# Altium PCB 452006252#进气模块电路板.PcbDoc
Units mm, origin at the board's own origin, x right, y up, seen from the top; angles counter-clockwise.
Board outline 52 x 55 mm, 4 copper layers (Top Layer, Internal Plane 3, Internal Plane 2, Bottom Layer), stack 0.778 mm thick; 59 components, 27 nets, 192 pads, 159 vias.
Unrouted connection lines stored in the file: 16.
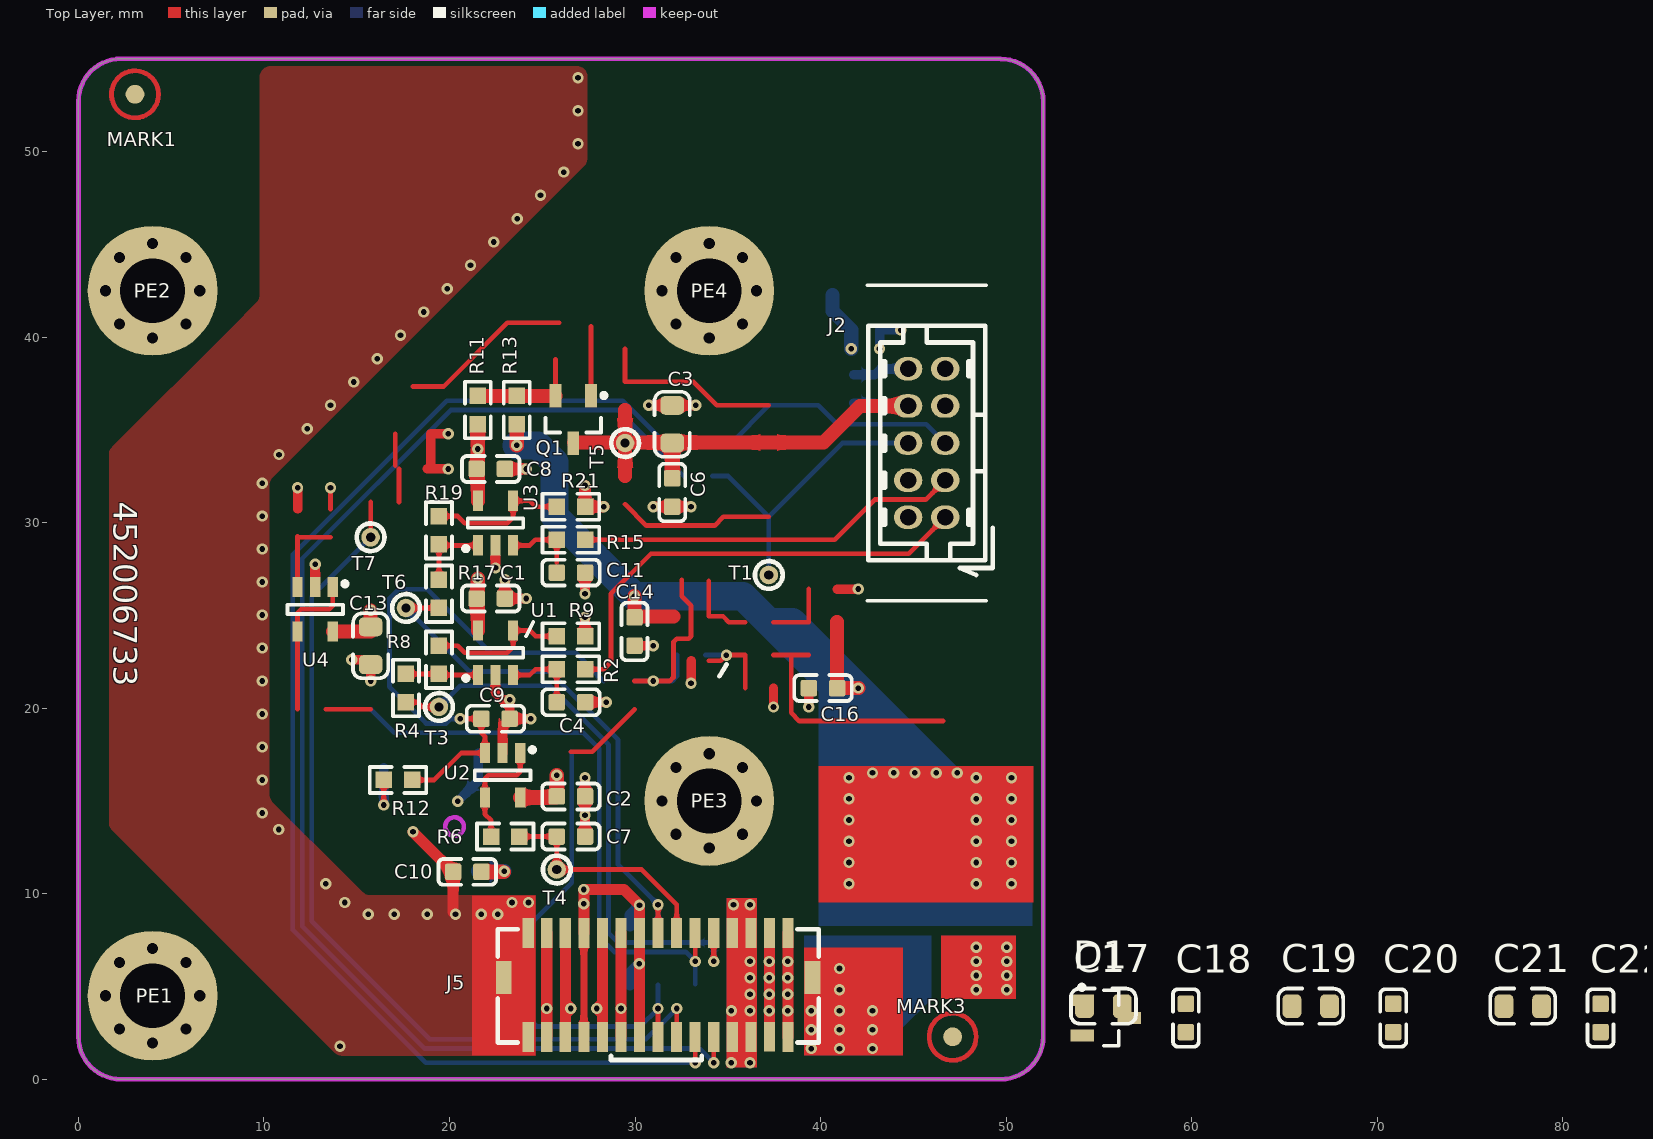
[diagram p0: Top Layer view]
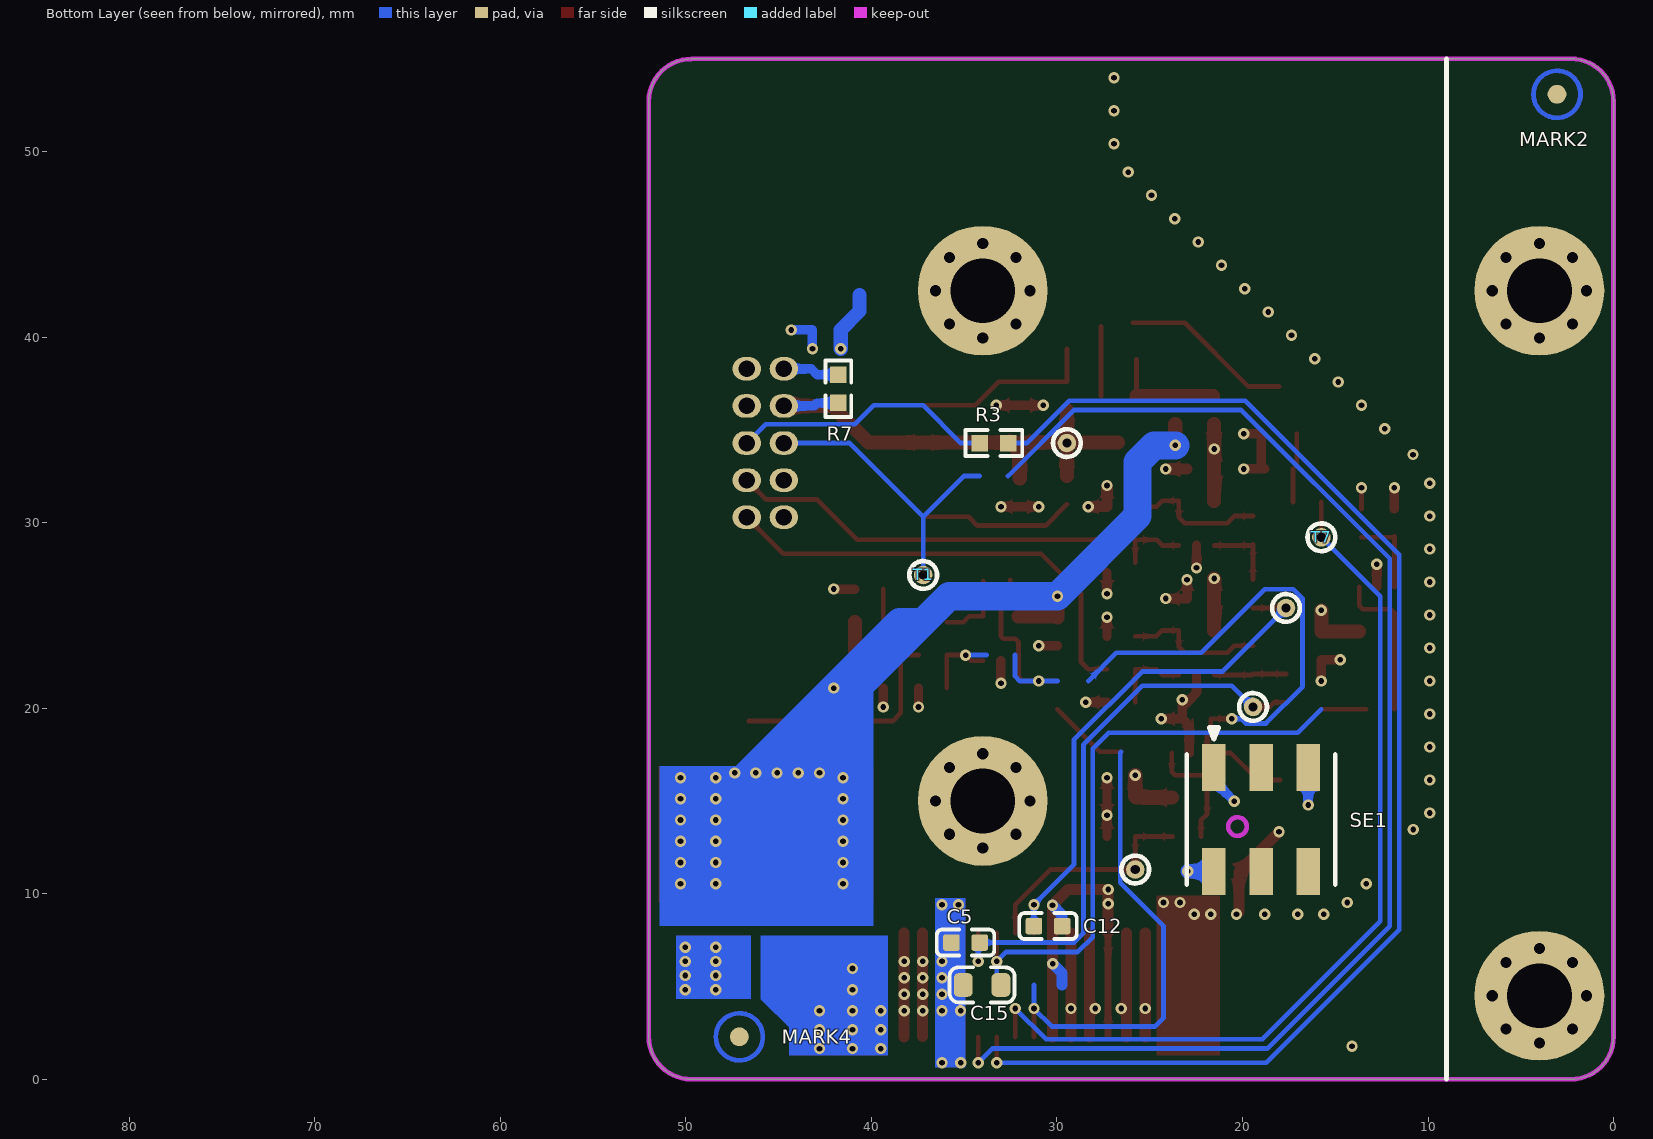
[diagram p1: Bottom Layer view, seen from below]
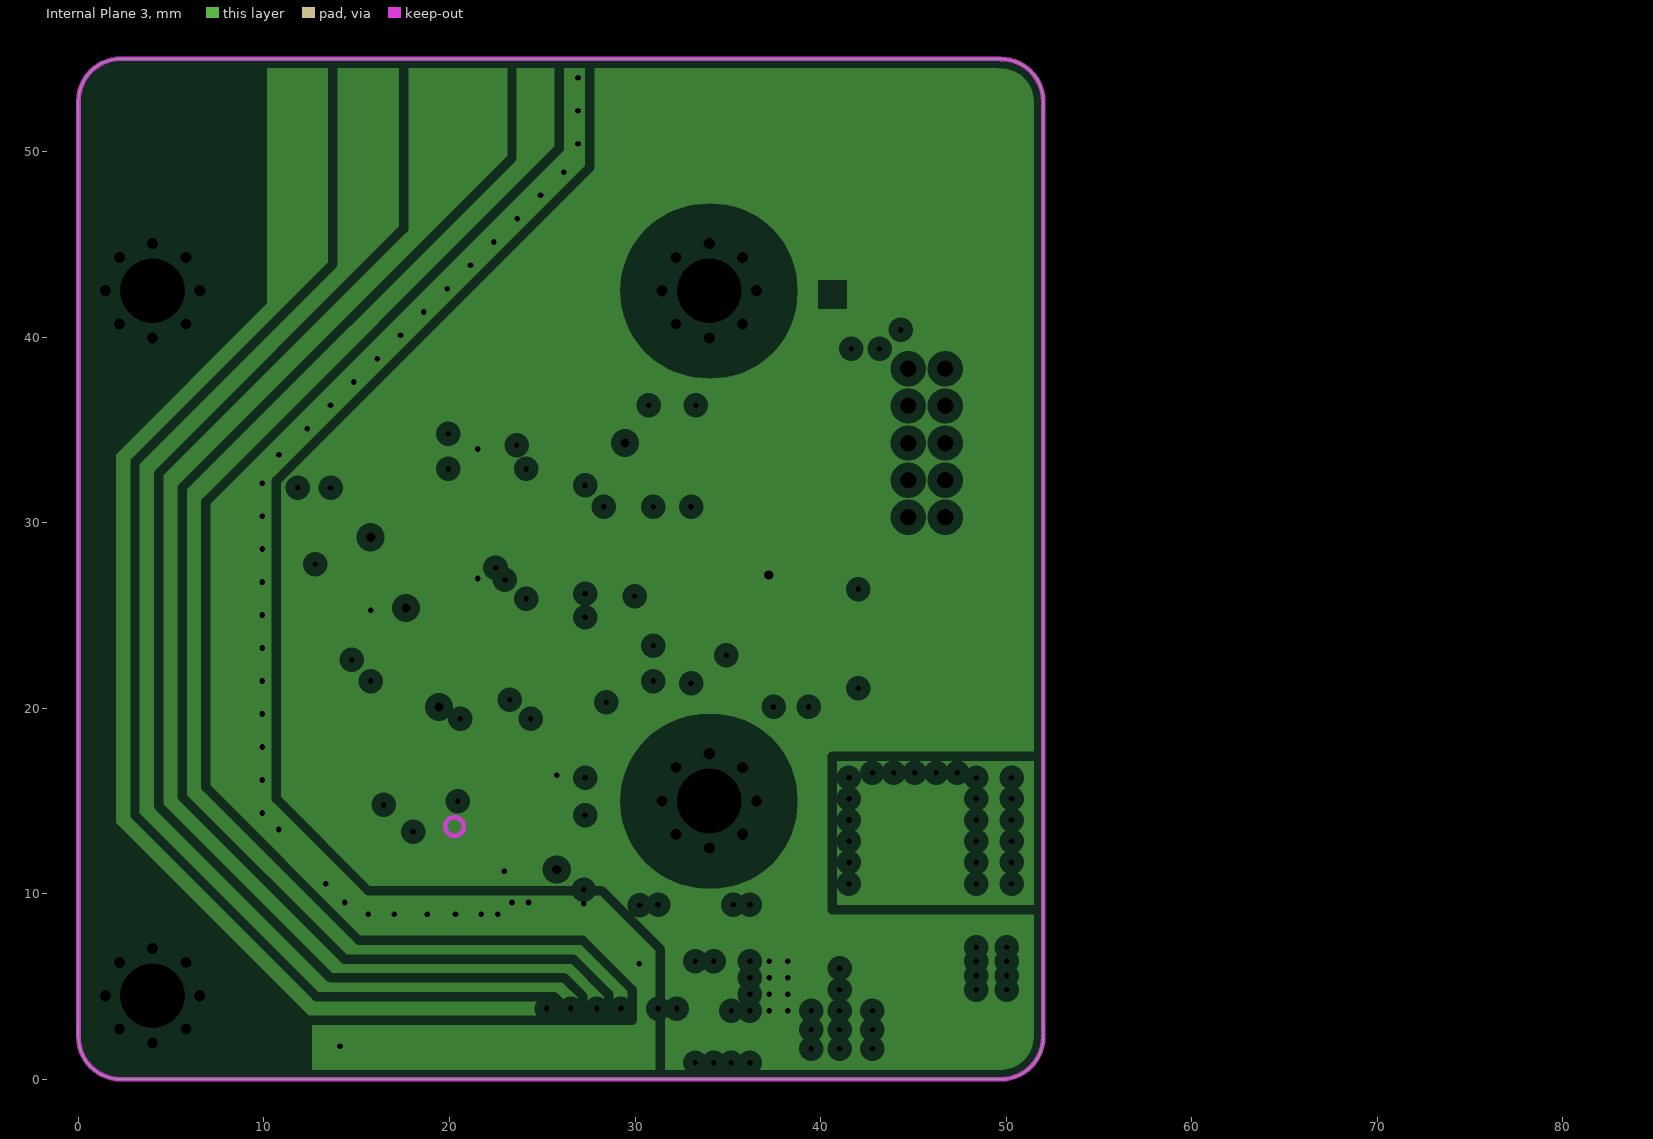
[diagram p2: Internal Plane 3, clearances drawn from the general rule]
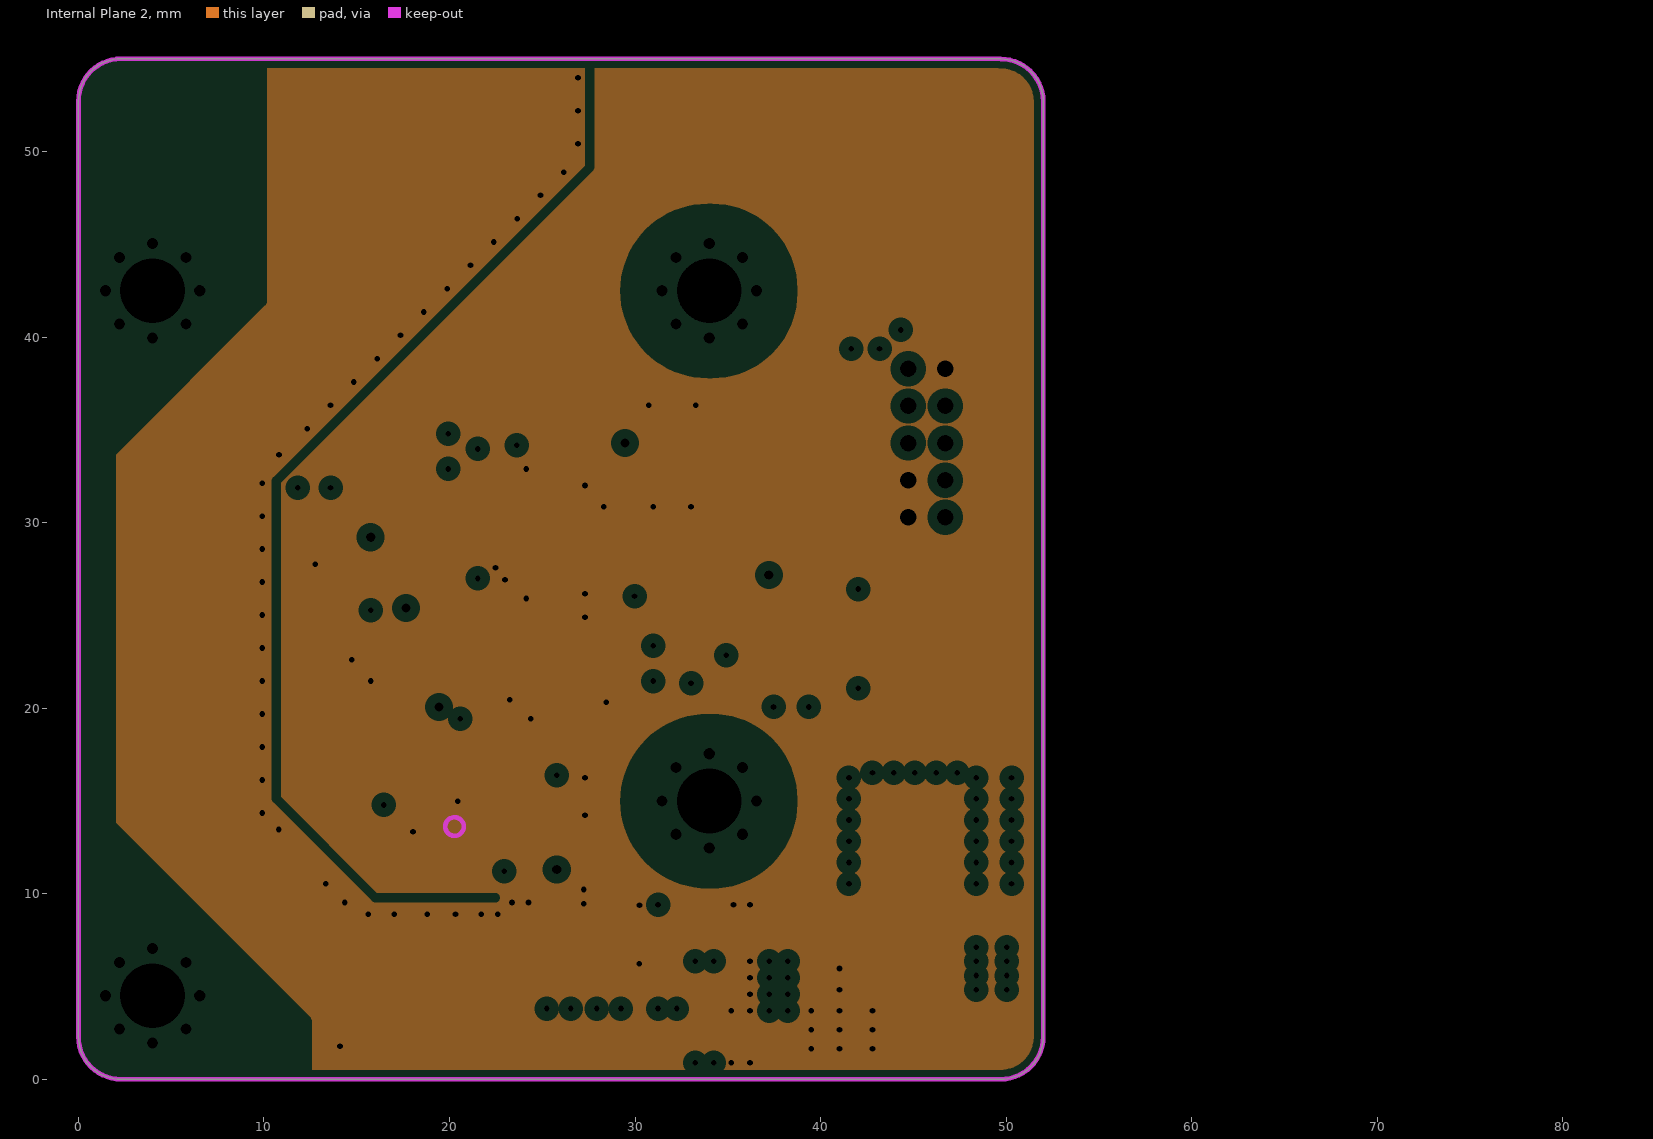
[diagram p3: Internal Plane 2, clearances drawn from the general rule]

## Layer stack, top to bottom
Top Solder: solder mask 0.0102, Solder Resist, Dk 3.5
Top Layer: signal copper 0.0356
Dielectric1: core 0.254, FR-4, Dk 4.2
Internal Plane 3: plane copper 0.036, net (Multiple Nets)
Dielectric 4: prepreg 0.127, Dk 4.2
Internal Plane 2: plane copper 0.036, net GND
Dielectric 3: core 0.254, Dk 4.2
Bottom Layer: signal copper 0.0356
Bottom Solder: solder mask 0.0102, Solder Resist, Dk 3.5

## Board outline
0,2.286 0,52.714 cw(c2.286,52.714) 2.286,55 49.714,55 49.714,54.991 cw(c49.714,52.705) 52,52.705 52,2.286 cw(c49.714,2.286) 49.714,0 2.286,0 cw(c2.286,2.286)

## Design rules (kind name [scope] priority, off if disabled: settings)
Clearance [All] p1: gap=0.178 ignorepadtopadclearanceinfootprint=FALSE
ComponentClearance [All] p1: gap=0 collisioncheckmode=3 verticalgap=0 showdistances=FALSE
Height [All] p1: minheight=0 maxheight=1000 prefheight=12.7
HoleSize [All] p1: absolutevalues=TRUE maxlimit=5.08 minlimit=0.025 maxpercent=80.000 minpercent=20.000
HoleToHoleClearance [All] p1: gap=0 allowstackedmicrovias=TRUE
MinimumSolderMaskSliver [All] p1: minsoldermaskwidth=0
PlaneClearance [All] p1: clearance=0.508
PlaneConnect [All] p1: planeconnectstyle=Direct reliefexpansion=0.508 reliefentries=4 reliefconductorwidth=0.254 reliefairgap=0.254
PolygonConnect [All] p1: connectstyle=Direct reliefconductorwidth=0.254 reliefentries=4 polygonreliefangle="90 Angle" airgapwidth=0.254
RoutingVias [All] p1: holewidth=0.711 width=1.27 viastyle="Through Hole" minholewidth=0.305 minwidth=0.61 maxholewidth=0.711 maxwidth=1.27
SilkToSilkClearance [All] p1: silktosilkclearance=0
SilkToSolderMaskClearance [IsPad] p1: minsilkscreentomaskgap=0 clearancetoexposedcopper=TRUE
SolderMaskExpansion [All] p1: expansion=0.102 istentingtop=FALSE
Width [All] p1: maxlimit=7.62 minlimit=0.254 preferedwidth=0.254
21 further rules are at their usual default settings.

## Classes and differential pairs
component class 氧气源压力传感器: C2 C7 C9 C10 R6 R12 SE1 T4 U2
component class IO: C3 C6 J2 J5 MARK1 MARK2 MARK3 MARK4 PE1 PE2 PE3 PE4 R7 R11 R13 T5
component class Power&Vref: C13 C14 C15 C16 C17 C18 C19 C20 C21 C22 D1 FB1 Q1 R3 T1 T7 U4
component class 3100: C1 C4 C5 C8 C11 C12 C36 C37 R2 R4 R8 R9 R15 R17 R19 R21 R64 T3 T6 U1 U3 U9

## Components (designator, comment, footprint, x,y, rotation, side; value= is the part's Value field where it differs from the comment)
C1 "100nF" C-0603 22.225,25.908 r180 top
C2 "100nF" C-0603 26.543,15.24 r180 top
C3 "10uF/16V" C-0805 32.004,35.306 r270 top
C4 "10nF" C-0603 26.543,20.32 r0 top
C5 "NC" C-0603 34.925,7.366 r0 bottom
C6 "100nF" C-0603 32.004,31.623 r90 top
C7 "100nF" C-0603 26.543,13.081 r0 top
C8 "100nF" C-0603 22.225,32.893 r180 top
C9 "10nF" C-0603 22.479,19.431 r0 top
C10 "100nF" C-0603 20.955,11.176 r180 top
C11 "10nF" C-0603 26.543,27.305 r0 top
C12 "100nF" C-0603 30.48,8.255 r180 bottom
C13 "10uF/16V" C-0805 15.748,23.368 r90 top
C14 "100nF" C-0603 29.972,24.13 r90 top
C15 "10uF/16V" C-0805 34.036,5.08 r0 bottom
C16 "100nF" C-0603 40.132,21.082 r180 top
C17 "10uF/16V" C-0805 55.245,3.937 r0 top
C18 "100nF" C-0603 59.69,3.302 r90 top
C19 "10uF/16V" C-0805 66.421,3.937 r0 top
C20 "100nF" C-0603 70.866,3.302 r90 top
C21 "10uF/16V" C-0805 77.851,3.937 r0 top
C22 "100nF" C-0603 82.042,3.302 r90 top
D1 "PESD5V2S2UT" sot23-3 55.372,3.302 r0 top
J2 "Header 5X2" 878311041 45.72,34.29 r90 top
J5 "501190-3017" 501190-3017 31.242,5.08 r0 top
MARK1 "MARK_POINT" MARK_POINT 3.048,53.086 r90 top
MARK2 "MARK_POINT" MARK_POINT 3.048,53.086 r90 bottom
MARK3 "MARK_POINT" MARK_POINT 47.117,2.286 r90 top
MARK4 "MARK_POINT" MARK_POINT 47.117,2.286 r90 bottom
PE1 "" 固定孔-M3 4,4.5 r0 top locked
PE2 "" 固定孔-M3 4,42.5 r0 top locked
PE3 "" 固定孔-M3 34,15 r0 top locked
PE4 "" 固定孔-M3 34,42.5 r0 top locked
Q1 "BC807-40" SOT23-3 26.67,35.56 r270 top
R2 "100R" R-0603 26.543,22.098 r180 top
R3 "330R" R-0603 33.401,34.29 r180 bottom
R4 "10R" R-0603 17.653,21.082 r270 top
R6 "10R" R-0603 23,13.081 r0 top
R7 "0" R-0603 41.783,37.211 r90 bottom
R8 "10K" R-0603 19.431,22.606 r270 top
R9 "10K" R-0603 26.543,23.876 r180 top
R11 "0" R-0603 21.529,36.068 r270 top
R12 "100R" R-0603 17.222,16.129 r180 top
R13 "NC" R-0603 23.622,36.068 r270 top
R15 "100R" R-0603 26.543,29.075 r180 top
R17 "10R" R-0603 19.431,26.162 r270 top
R19 "0" R-0603 19.431,29.591 r270 top
R21 "NC" R-0603 26.543,30.861 r180 top
SE1 "ABPLLNT010BGAA5" ABPMLN 19,14 r180 bottom locked
T1 "POWER_TEST" TP-SIP-1-Small 37.211,27.178 r90 bottom
T3 "直插测试点" TP-SIP-1-Small 19.431,20.066 r90 top
T4 "直插测试点" TP-SIP-1-Small 25.781,11.303 r90 top
T5 "直插测试点" TP-SIP-1-Small 29.464,34.29 r180 top
T6 "直插测试点" TP-SIP-1-Small 17.653,25.4 r90 top
T7 "直插测试点" TP-SIP-1-Small 15.748,29.21 r90 bottom
U1 "TLV333IDBVR" SOT23-5 22.479,22.987 r90 top
U2 "TLV333IDBVR" SOT23-5 22.86,16.383 r270 top
U3 "TLV333IDBVR" SOT23-5 22.479,29.972 r90 top
U4 "REF3450" SOT23-5 12.761,25.33 r270 top

## Footprints (in the part's own frame and the unit in brackets; to place one, negate y for a bottom-side part, rotate by r counter-clockwise, add the part's x,y. Pads: shape width x height; smd on the part's side, far side on the other; paste and mask are expansions set on the pad)
501190-3017 [mm]
  rect 0.6x1.6 smd paste+0 mask+0.05: 1(-7,2.8) 2(-6,2.8) 3(-5,2.8) 4(-4,2.8) 5(-3,2.8) 6(-2,2.8) 7(-1,2.8) 8(0,2.8) 9(1,2.8) 10(2,2.8) 11(3,2.8) 12(4,2.8) 13(5,2.8) 14(6,2.8) 15(7,2.8) 16(-7.001,-2.8) 17(-6.001,-2.8) 18(-5.001,-2.8) 19(-4.001,-2.8) 20(-3.001,-2.8) 21(-2.001,-2.8) 22(-1.001,-2.8) 23(-0.001,-2.8) 24(0.999,-2.8) 25(1.999,-2.8) 26(2.999,-2.8) 27(3.999,-2.8) 28(4.999,-2.8) 29(6.009,-2.794) 30(6.999,-2.8)
  rect 0.85x1.8 smd paste+0 mask+0.05: 31(8.32,0.4) 32(-8.32,0.4)
  silkscreen extent -8.64,-4.04 8.66,3, body extent -8.65,-4.08 8.65,3.19, height 5.57
878311041 [mil]
  oval 50x60 hole 35: 1(-157.48,-39.37) 2(-157.48,39.37) 3(-78.74,-39.37) 4(-78.74,39.37) 5(0,-39.37) 6(0,39.37) 7(78.74,-39.37) 8(78.74,39.37) 9(157.48,-39.37) 10(157.48,39.37)
  silkscreen extent -335,-140 335,126, body extent -249,-124 249,124, height 252
ABPMLN [mil]
  rect 50x100 smd: 1(-100,110) 2(0,110) 3(100,110) 4(100,-110) 5(0,-110) 6(-100,-110)
  Keep-Out Layer circle w10: c-50,-15 r19.68
  silkscreen extent -157,-138 157,195, body extent -157,-138 157,138, height 305
C-0603 [mil] "Chip Capacitor, 2-Leads, Body 1.60x0.80mm, IPC Medium Density"
  rrect25% 35x35 smd: 1(-30,0) 2(30,0)
  silkscreen extent -61,-28 61,28, body extent -33,-18 33,18, height 20
C-0805 [mil] "Chip Capacitor, 2-Leads, Body 2.00x1.25mm, IPC Medium Density"
  rrect50% 40x50 smd: 1(-40,0) 2(40,0)
  silkscreen extent -69,-37 69,37, body extent -41,-27 41,27, height 20
MARK_POINT [mil]
  round 40 smd: 0(0,0)
  Top Layer circle w10: c0,0 r50
R-0603 [mil] "Chip Resistor, 2-Leads, Body 1.60x0.80mm, IPC Medium Density"
  rect 35x35 smd: 1(-30,0) 2(30,0)
  silkscreen extent -60,-28 60,28
sot23-3 [mil] "SOT23, 3-Leads, Body 2.92x2.78mm, Pitch 0.95mm, IPC Medium Density"
  rect 50x25 smd: 1(-50,37.5) 2(-50,-37.5) 3(50,0)
  silkscreen extent -56,-59 28,70
SOT23-3 [mil] "SOT23, 3-Leads, Body 2.92x2.78mm, Pitch 0.95mm, IPC Medium Density"
  rect 50x25 smd: 1(-50,37.5) 2(-50,-37.5) 3(50,0)
  silkscreen extent -56,-59 28,70
SOT23-5 [mm] "SOT23, 5-Leads, Body 2.90x2.80mm, Pitch 0.95mm, IPC Medium Density"
  rect 1.1x0.55 smd: 1(-1.2,0.95) 2(-1.2,0) 3(-1.2,-0.95) 4(1.2,-0.95) 5(1.2,0.95)
  silkscreen extent -1.5,-1.5 0.25,1.72, body extent -0.9,-1.5 0.9,1.5, height 1
TP-SIP-1-Small [mm]
  round 1 hole 0.5: 1(0,0)
  silkscreen extent -0.75,-0.75 0.75,0.75
固定孔-M3 [mm]
  round 1 hole 0.6: 1(-2.54,0) 1(-1.796,-1.796) 1(-1.796,1.796) 1(0,-2.54) 1(0,2.54) 1(1.796,-1.796) 1(1.796,1.796) 1(2.54,0)
  round 7 hole 3.5: 1(0,0)

## Part data
C1 C2 C8: library part C-0603
C3: library part 10uF_1210, 制造商=三星, 名称=贴片瓷介电容10uF±10%,1210, 版本=V1.00, 物料编号=210003341, 详细描述="X7R,50V, 三星CL32B106KBJNNNC"
C4 C5 C7 C9 C10 C11 C12: library part 100nF-0603, "三星,CL10B104JB8NNNC,0603,X7R,", 制造商=三星, 名称=贴片瓷介电容100nF±5%/50V, 版本=V1.00, 详细描述=三星,CL10B104JB8NNNC,0603,X7R,
C6: library part 100nF_0805, 制造商=三星, 名称=贴片瓷介电容100nF±5%,0805, 版本=V1.00, 物料编号=210001894, 详细描述=X7R,50V,三星CL21B104JBCNNNC
C13 C15 C18 C20 C22: library part 100nF_1, "贴片瓷介电容100nF±5%,0805", 制造商=三星, 名称=贴片瓷介电容100nF±5%,0805, 版本=V1.00, 物料编号=210001894, 详细描述=X7R,50V,三星CL21B104JBCNNNC
C14 C16: library part CAP, "Capacitor"
C17 C19 C21: library part C-1210
D1: library part PESDxS2UT
J2: "Header, 5-Pin, Dual row", LatestRevisionDate=17-Jul-2002, LatestRevisionNote="Re-released for DXP Platform.", Publisher="Altium Limited"
PE1 PE2 PE3 PE4: library part CON1, "Connector"
R2 R4 R6 R12 R15 R17: library part 100R-0603, "国巨RC0603FR-07100RL,0603,1/10W", 制造商=国巨, 名称=贴片电阻100R±1%, 版本=V1.00, 详细描述=国巨RC0603FR-07100RL,0603,1/10W,
R3: library part 100Ω_1, "国巨RC0805FR-07100R", 制造商=国巨, 名称=贴片电阻100±1%, 版本=V1.00, 物料编号=210000765, 详细描述=0805,1/8W,国巨RC0805FR-07100R
R7 R11 R13: library part 10K_1, "国巨RC0805FR-0710K", 制造商=国巨, 名称=贴片电阻10K±1%, 版本=V1.00, 物料编号=210001830, 详细描述=0805,1/8W,国巨RC0805FR-0710K
R8 R9 R19 R21: library part 1K_1, "国巨RC0805FR-071K", 制造商=国巨, 名称=贴片电阻1K±1%, 版本=V1.00, 物料编号=210001832, 详细描述=0805,1/8W,国巨RC0805FR-071K
SE1: library part ABPDLNV150PGAA3, "Honeywell,ABPDLNV150PGAA3,ABP-DIP LN,0-150psi,ROHS", 厂家=Honeywell, 物料名称=压力传感器ABPDLNV150PGAA3
T3 T4 T5 T6 T7: library part Testpiont, 名称=直插测试点, 版本=V1.00
U1 U2 U3: "品牌：TI，型号：TLV333IDBVR,SOIC-8,–25°~+85°C,单运放，ROHS"
U4: library part REF3225
Q1: 版本=V1.00

## Via types
v1: diameter 0.61, hole 0.305, Top Layer to Bottom Layer, tented both sides, 159 vias

## Nets (pads, with @x,y where several pads share a name; then routed paths per layer and width w, separated by ;. In a path a pad name is that pad's centre, name@x,y a point inside that pad or via, vN(x,y) a via of type N, cw(c..) or ccw(c..) an arc to the next point about the centre after c; other vN are vias at no path point)
+5V: C1.2 C2.2 C8.2 C10.1 C19.2 C20.2 C21.2 C22.2 J5.14 J5.15 J5.29 J5.30 R11.2 SE1.6 T1.1 U1.5 U2.5 U3.5 | length 27
  Top Layer w0.597: J5.29@37.242,2.294 J5.14 ; J5.30 J5.15
  Top Layer w0.762: 13.711,24.13 15.748,24.13 v1(15.748,25.273) ; U1.5 v1(21.529,26.99) ; U3.5 v1(21.529,33.97) R11.2 ; C10.1 v1@22.927,11.176 ; U2.5 C2.2@25.724,15.183 ; C2.2 v1(25.781,16.383)
  Bottom Layer w0.762: SE1.6 v1(22.957,11.206)
  other v1: 37.242,3.683 38.227,3.683 37.242,4.572 38.227,4.572 37.242,5.461 38.227,5.461 37.242,6.35 38.227,6.35
+5Vref: D1.2 R13.2 T7.1 U4.5
+6.8V: J5.2 J5.17 Q1.2 R3.2 | length 5.6
  Top Layer w0.597: J5.17 J5.2
  other v1: 25.242,3.81
F_IN: C5.1 J5.11 R4.2 T3.1 | length 31.2
  Top Layer w0.254: R4.2 18.288,20.32 18.542,20.066 T3.1 ; v1(34.242,6.35) J5.11
  Bottom Layer w0.254: T3.1 20.574,21.209 25.4,21.209 28.575,18.034 28.575,7.874 29.083,7.366 C5.1 ; v1(34.242,6.35) C5.1@34.242,7.287
Flow_3100: J2.1 R2.1 | length 25
  Top Layer w0.254: R2.1 28.321,22.098 28.702,22.479 28.702,26.162 30.861,28.321 44.751,28.321 J2.1
GND: C1.1 C2.1 C3.1 C4.2 C5.2 C6.1 C7.2 C8.1 C9.2 C10.2 C11.2 C12.2 C13.2 C14.2 C15.1 C16.1 C17.1 C18.1 C19.1 C20.1 C21.1 C22.1 D1.3 J2.2 J2.4 J2.9 J5.1 J5.4 J5.7 J5.12 J5.13 J5.16 J5.19 J5.22 J5.27 J5.28 J5.31 J5.32 R9.1 R21.1 SE1.1 U1.2 U2.2 U3.2 U4.1 U4.2 | length 57
  Top Layer w0.381: J5.19 J5.4
  Top Layer w0.508: U4.2 v1(12.761,27.752) ; v1(14.732,22.606) 15.748,22.606 v1(15.748,21.463) ; U1.2 22.479,20.828 22.86,20.447 ; v1(22.479,27.559) U3.2 ; U2.2 22.86,19.05 C9.2 ; v1(22.987,26.924) C1.1 v1(24.13,25.908) ; v1(24.384,19.431) C9.2 ; C7.2 v1(27.305,14.224) C2.1 v1(27.305,16.256) ; C4.2 v1(28.448,20.32) ; R9.1 v1(27.305,24.892) ; v1(27.305,26.162) C11.2 ; v1(30.734,36.322) C3.1 v1(33.274,36.322) ; v1(30.988,30.861) C6.1 v1(33.02,30.861) ; 22.86,20.447 v1(23.241,20.447) 23.241,20.066 ; 22.86,20.447 23.241,20.066 ; C9.2 23.241,20.066
  Top Layer w0.597: v1(18.034,13.335) C10.2 v1@20.193,9.017 ; C8.1 v1(24.13,32.893) ; J5.4 v1(27.242,9.461) v1(27.242,10.223) 29.401,10.223 v1(30.241,9.383) J5.22 ; v1(27.305,32.004) R21.1 v1(28.321,30.861)
  Bottom Layer w0.508: v1(20.447,14.986) 21.54,16.079 SE1.1 SE1.1@21.54,17.576
  Bottom Layer w0.597: 29.718,5.08 29.718,5.715 v1(30.226,6.223) ; C12.2 29.718,8.859 v1(30.241,9.383)
  other v1: 35.179,0.889 36.195,0.889 39.497,1.651 41.021,1.651 42.799,1.651 14.097,1.778 39.497,2.667 41.021,2.667 42.799,2.667 35.195,3.683 36.195,3.683 39.497,3.683 41.021,3.683 42.799,3.683 36.195,4.572 41.021,4.826 36.195,5.461 41.021,5.969 36.195,6.35 15.621,8.89 17.018,8.89 18.796,8.89 20.32,8.89 21.717,8.89 22.606,8.89 35.306,9.398 36.195,9.398 14.351,9.525 23.368,9.525 24.257,9.525 13.335,10.541 10.795,13.462 9.906,14.351 9.906,16.129 9.906,17.907 9.906,19.685 9.906,21.463 9.906,23.241 9.906,25.019 9.906,26.797 9.906,28.575 9.906,30.353 9.906,32.131 10.808,33.668 12.332,35.065 13.59,36.323 14.847,37.58 16.104,38.837 17.361,40.094 18.619,41.352 19.876,42.609 21.133,43.866 22.39,45.123 23.648,46.381 24.905,47.638 26.162,48.895 26.924,50.419 26.924,52.197 26.924,53.975
NetC3_2: C3.2 C6.2 J2.8 R7.1 R11.1 R13.1 T5.1 | length 27.3
  Top Layer w0.762: 26.702,34.322 T5.1@29.464,34.322 ; 29.464,32.512 T5.1 T5.1@29.464,34.322 ; 29.464,36.068 T5.1@29.464,34.322 ; C6.2 C3.2 ; J2.8 42.132,36.29 40.164,34.322 37.211,34.322 T5.1@29.464,34.322
  Bottom Layer w0.508: R7.1 42.926,36.449 43.085,36.29 J2.8
NetC4_1: C4.1 R2.2 U1.3 | length 4.3
  Top Layer w0.254: U1.3 24.327,21.787 24.638,22.098 R2.2 C4.1
NetC9_1: C9.1 R12.1 U2.3 | length 30.9
  Top Layer w0.254: R12.1 19.177,16.129 20.631,17.583 U2.3 21.91,18.476 21.717,18.669 C9.1 v1(20.574,19.431)
  Bottom Layer w0.254: v1(20.574,19.431) 20.066,19.431 19.812,19.177 18.734,19.177 16.764,21.147 16.764,25.908 17.272,26.416 18.796,26.416 22.225,22.987 26.797,22.987 28.321,21.463
NetC11_1: C11.1 R15.2 U3.3 | length 3.7
  Top Layer w0.254: U3.3 24.327,28.772 24.63,29.075 R15.2 25.781,27.843
NetC13_1: C13.1 C14.1 D1.1 Q1.3 | length 1
  Top Layer w0.508: C14.1 v1(30.988,23.368)
NetC15_2: C15.2 C16.2 Q1.1 R3.1 U4.3 U4.4 | length 9.3
  Top Layer w0.254: U4.3 11.811,29.272 ; 11.811,29.21 13.589,29.21 ; Q1.1 27.622,40.577
  Top Layer w0.508: v1(39.37,20.066) C16.2
NetC17_2: C17.2 C18.2
NetJ2_10: J2.10 R7.2 | length 3.1
  Bottom Layer w0.508: R7.2 42.926,37.973 43.243,38.29 J2.10
NetR4_1: R4.1 R8.2 U1.1 | length 3.8
  Top Layer w0.254: R4.1 R8.2 ; R8.2@19.488,21.787 U1.1
NetR6_1: R6.1 U2.1 U2.4 | length 6.3
  Top Layer w0.254: R6.1 22.238,13.957 21.91,14.285 U2.4 21.91,16.195 22.098,16.383 23.626,16.383 23.81,16.567 U2.1
NetR8_1: R8.1 R9.2 U1.4 | length 7.7
  Top Layer w0.254: R8.1 20.447,23.368 20.828,22.987 23.118,22.987 23.429,23.298 U1.4 24.327,24.187 24.638,23.876 R9.2
NetR12_2: R12.2 SE1.3 | length 3.4
  Top Layer w0.254: v1(16.46,14.782) R12.2
  Bottom Layer w0.508: v1(16.46,14.782) SE1.3
NetR17_1: R17.1 R19.2 U3.1 | length 3.9
  Top Layer w0.254: R17.1 R19.2 ; R19.2@19.488,28.772 U3.1
NetR19_1: R19.1 R21.2 U3.4 | length 7.7
  Top Layer w0.254: R19.1 20.447,30.353 20.828,29.972 23.118,29.972 23.429,30.283 U3.4 24.327,31.172 24.638,30.861 R21.2
O2SupPres: C7.1 J5.9 R6.2 T4.1 | length 12.6
  Top Layer w0.254: R6.2 C7.1 T4.1 30.353,11.303 32.242,9.414 J5.9
PE1: PE1.1
PE2: PE2.1
PE3: PE3.1
PE4: PE4.1
T_IN: C12.1 J5.8 R17.2 T6.1 | length 28.6
  Top Layer w0.254: T6.1 R17.2 ; J5.8 v1(31.242,9.398)
  Bottom Layer w0.254: T6.1 21.082,21.971 25.4,21.971 29.083,18.288 29.083,11.557 v1(31.242,9.398) C12.1
Temperature_3100: J2.3 R15.1 | length 20.7
  Top Layer w0.254: R15.1 40.759,29.075 42.926,31.242 45.672,31.242 J2.3
pads on no net: J2.5 J2.6 J2.7 J5.3 J5.5 J5.6 J5.10 J5.18 J5.20 J5.21 J5.23 J5.24 J5.25 J5.26 MARK1.0 MARK2.0 MARK3.0 MARK4.0 SE1.2 SE1.4 SE1.5
copper on no net: | length 477.1
  Top Layer w0.254: 11.811,19.939 11.811,24.13 11.811,25.146 11.995,25.33 13.519,25.33 13.711,25.522 13.711,26.53 ; 13.335,19.939 15.748,19.939 ; 13.589,30.734 v1(13.589,31.877) ; 15.748,29.21 15.748,31.115 ; 17.081,33.084 17.081,34.798 ; 17.272,31.115 17.272,32.893 ; 18.034,37.338 19.685,37.338 23.114,40.767 25.908,40.767 ; 25.717,36.83 25.717,38.798 ; 26.543,17.653 27.686,17.653 29.972,19.939 ; 29.464,30.988 30.607,29.845 34.29,29.845 34.767,30.322 37.211,30.322 ; 29.464,39.37 29.464,37.592 33.147,37.592 34.417,36.322 37.211,36.322 ; 29.972,21.463 v1(30.988,21.463) 31.877,21.463 32.07,21.656 32.07,22.549 32.07,23.561 32.258,23.749 32.897,23.749 33.02,23.872 33.02,25.527 32.512,26.035 32.512,26.924 ; 31.241,2.28 v1(31.241,3.81) ; 32.241,2.28 v1(32.241,3.81) ; v1(33.241,0.889) 33.241,2.28 ; v1(33.242,6.35) 33.242,7.88 ; 33.97,22.549 34.614,22.549 v1(34.925,22.86) 35.941,22.86 35.941,21.082 ; 33.97,26.858 33.97,24.949 34.741,24.949 35.052,24.638 35.941,24.638 ; v1(34.241,0.889) 34.241,2.28 ; 37.465,22.86 38.417,22.86 ; 37.465,24.638 39.37,24.638 39.37,26.42 ; 39.37,22.86 38.417,22.86 ; 46.609,19.304 38.862,19.304 38.417,19.748 38.417,22.86
  Top Layer w0.508: 11.811,30.734 v1(11.811,31.877) ; 18.796,32.893 v1(19.939,32.893) ; 18.986,33.084 18.986,34.798 v1(19.939,34.798) ; v1(33.02,21.336) 33.02,22.549 ; v1(37.465,20.066) 37.465,21.082 ; 40.894,26.42 v1(42.033,26.42)
  Top Layer w0.597: 26.241,2.28 26.241,3.508 ; 26.241,5.08 26.241,4.112 ; 26.241,7.88 26.241,4.112 ; 28.242,2.28 28.242,7.88 ; 29.241,2.28 29.241,7.88 ; 26.241,3.508 v1(26.543,3.81) 26.241,4.112 ; 26.241,3.508 26.241,4.112 ; v1(27.94,3.81) 28.241,3.508 28.241,4.112 v1(27.94,3.81)
  Top Layer w0.762: 21.59,36.83 24.003,36.83 25.717,36.83 ; v1(23.622,34.163) 23.622,35.306 ; 29.972,24.892 v1(29.972,26.035) ; 30.029,24.949 32.07,24.949 ; 40.894,24.638 40.894,22.86 40.894,21.082 v1(42.037,21.082)
  Bottom Layer w0.254: 15.748,19.939 17.018,18.669 27.222,18.669 28.067,17.824 28.067,7.664 28.873,6.858 32.734,6.858 v1(33.242,6.35) 33.242,5.112 ; 15.748,29.21 12.573,26.035 12.573,8.509 18.923,2.159 30.59,2.159 v1(32.241,3.81) ; 26.543,17.653 26.586,17.61 26.586,10.584 24.257,8.255 24.257,3.302 24.714,2.845 30.276,2.845 v1(31.241,3.81) 31.242,5.08 ; 29.972,21.463 v1(30.988,21.463) 32.004,21.463 32.258,21.717 32.258,22.86 ; 32.639,32.512 29.083,36.068 20.066,36.068 12.065,28.067 12.065,8.255 18.669,1.651 33.479,1.651 v1(34.241,0.889) ; 32.639,34.29 31.623,34.29 29.337,36.576 19.856,36.576 11.557,28.277 11.557,8.045 18.713,0.889 v1(33.241,0.889) ; 33.782,22.86 v1(34.925,22.86) ; 34.163,32.512 35.021,32.512 37.211,30.322 ; 34.163,34.29 35.179,34.29 37.211,36.322 39.878,36.322 40.894,35.306 45.704,35.306 46.72,34.29 ; 37.211,27.178 37.211,30.322 ; 44.72,34.29 41.179,34.29 37.211,30.322
  Bottom Layer w0.508: v1(43.18,39.37) 43.18,40.386 v1(44.323,40.386)
  Bottom Layer w0.762: 40.642,42.254 40.642,41.4 41.656,40.386 v1(41.656,39.37)
  Bottom Layer w1.524: v1(23.622,34.163) 24.765,34.163 25.654,33.274 25.654,30.353 v1(29.972,26.035) 35.814,26.035 40.64,21.209 ; 37.338,24.638 38.481,24.638 v1(42.037,21.082) ; 40.64,15.494 40.64,21.209 ; 42.037,12.7 42.037,19.812 ; 43.18,16.002 43.18,19.939 ; 44.514,14.922 44.514,18.605 ; 47.244,15.875 44.514,18.605 ; 40.64,21.209 40.767,21.082 ; 40.767,21.082 42.037,19.812 ; 40.767,21.082 v1(42.037,21.082) ; 42.037,19.812 v1(42.037,21.082) ; v1(42.037,21.082) 43.18,19.939 ; 43.18,19.939 44.514,18.605
  other v1: 29.241,3.81 48.387,4.826 50.038,4.826 48.387,5.588 50.038,5.588 48.387,6.35 50.038,6.35 48.387,7.112 50.038,7.112 41.529,10.541 48.387,10.541 50.292,10.541 41.529,11.684 48.387,11.684 50.292,11.684 41.529,12.827 48.387,12.827 50.292,12.827 41.529,13.97 48.387,13.97 50.292,13.97 41.529,15.113 48.387,15.113 50.292,15.113 41.529,16.256 48.387,16.256 50.292,16.256 42.799,16.51 43.942,16.51 45.085,16.51 46.228,16.51 47.371,16.51

## Polygon pours and split planes (outlines as drawn)
GND on Top Layer "Top Layer-No Net" (solid, remove dead copper, pour order 2): 27.432,53.467 27.432,49.645 cw(c26.848,49.645) 27.261,49.232 22.987,44.958 10.458,32.429 ccw(c10.871,32.016) 10.287,32.016 10.287,22.352 10.287,15.355 ccw(c10.871,15.355) 10.458,14.942 14.605,10.795 15.323,10.077 ccw(c15.736,10.49) 15.736,9.906 24.638,9.906 24.638,1.27 14.212,1.27 cw(c14.212,1.854) 13.799,1.441 6.477,8.763 1.822,13.418 cw(c2.235,13.831) 1.651,13.831 1.651,17.018 1.651,33.667 cw(c2.235,33.667) 1.822,34.08 8.255,40.513 9.608,41.866 ccw(c9.195,42.279) 9.779,42.279 9.779,46.355 9.779,54.026 cw(c10.363,54.026) 10.363,54.61 11.938,54.61 26.848,54.61 cw(c26.848,54.026) 27.432,54.026 27.432,53.467
no net on Internal Plane 3 (split plane): 23.112,49.763 5.407,32.058 5.366,32.005 5.341,31.943 5.332,31.877 5.332,15.223 5.341,15.157 5.366,15.095 5.407,15.042 14.153,6.296 14.206,6.255 14.242,6.24 14.268,6.23 14.334,6.221 26.564,6.221 28.319,4.466 28.319,3.431 27.434,3.431 27.434,4.478 27.425,4.544 27.413,4.575 27.4,4.606 27.359,4.659 26.376,5.642 26.323,5.683 26.261,5.708 26.195,5.717 13.695,5.717 4.574,14.838 4.574,32.533 17.707,45.666 17.748,45.719 17.773,45.781 17.782,45.847 17.782,54.49 23.112,54.49
no net on Internal Plane 3 (split plane): 13.46,44.048 2.867,33.455 2.826,33.402 2.801,33.34 2.792,33.274 2.792,14.224 2.801,14.158 2.826,14.096 2.867,14.043 12.646,4.264 12.699,4.223 12.761,4.198 12.827,4.189 25.548,4.189 25.652,4.085 25.652,3.431 12.425,3.431 2.034,13.822 2.034,33.676 10.087,41.729 10.128,41.782 10.146,41.826 10.153,41.844 10.162,41.91 10.162,54.49 13.46,54.49
no net on Internal Plane 3 (split plane): 17.27,45.953 4.137,32.82 4.096,32.767 4.071,32.705 4.062,32.639 4.062,14.732 4.071,14.666 4.096,14.604 4.137,14.551 13.408,5.28 13.461,5.239 13.479,5.232 13.523,5.214 13.589,5.205 26.089,5.205 26.922,4.372 26.922,3.431 26.164,3.431 26.164,4.191 26.155,4.257 26.148,4.275 26.13,4.319 26.089,4.372 25.835,4.626 25.782,4.667 25.72,4.692 25.654,4.701 12.933,4.701 3.304,14.33 3.304,33.168 13.897,43.761 13.938,43.814 13.963,43.876 13.972,43.942 13.972,54.49 17.27,54.49
GND on Internal Plane 3 (split plane): 27.303,49.255 10.487,32.439 10.446,32.386 10.421,32.324 10.412,32.258 10.412,15.113 10.421,15.047 10.446,14.985 10.487,14.932 15.44,9.979 15.493,9.938 15.555,9.913 15.621,9.904 28.108,9.904 31.113,6.899 31.113,0.51 12.573,0.51 12.573,2.919 25.781,2.919 25.845,2.927 25.908,2.919 29.845,2.919 29.911,2.928 29.973,2.953 30.026,2.994 30.067,3.047 30.092,3.109 30.101,3.175 30.101,4.826 30.092,4.892 30.067,4.954 30.026,5.007 27.359,7.674 27.306,7.715 27.244,7.74 27.178,7.749 15.219,7.749 7.114,15.854 7.114,31.009 26.089,49.984 26.13,50.037 26.137,50.055 26.155,50.099 26.164,50.165 26.164,54.49 27.303,54.49
+5V on Internal Plane 3 (split plane): 49.714,54.481 49.728,54.482 49.888,54.474 50.061,54.448 50.23,54.406 50.394,54.347 50.552,54.273 50.702,54.183 50.842,54.079 50.971,53.962 51.088,53.833 51.192,53.693 51.282,53.543 51.356,53.385 51.415,53.221 51.457,53.052 51.483,52.879 51.491,52.719 51.49,52.705 51.49,17.655 40.64,17.655 40.574,17.646 40.512,17.621 40.459,17.58 40.418,17.527 40.393,17.465 40.384,17.399 40.384,9.144 40.393,9.078 40.418,9.016 40.459,8.963 40.512,8.922 40.574,8.897 40.64,8.888 51.49,8.888 51.49,2.286 51.491,2.272 51.483,2.112 51.457,1.939 51.415,1.77 51.356,1.606 51.282,1.448 51.192,1.298 51.088,1.158 50.971,1.029 50.842,0.912 50.702,0.808 50.552,0.718 50.394,0.644 50.23,0.585 50.061,0.543 49.888,0.517 49.728,0.509 49.714,0.51 31.625,0.51 31.625,7.005 31.616,7.072 31.591,7.133 31.55,7.186 28.395,10.341 28.342,10.382 28.281,10.407 28.214,10.416 15.727,10.416 10.924,15.219 10.924,32.152 27.74,48.968 27.781,49.021 27.806,49.083 27.815,49.149 27.815,54.49 49.623,54.49
no net on Internal Plane 3 (split plane): 25.652,50.271 6.677,31.296 6.636,31.243 6.611,31.181 6.602,31.115 6.602,15.748 6.611,15.682 6.636,15.62 6.677,15.567 14.932,7.312 14.985,7.271 15.047,7.246 15.113,7.237 27.072,7.237 29.589,4.72 29.589,3.431 28.831,3.431 28.831,4.572 28.822,4.638 28.797,4.7 28.756,4.753 26.851,6.658 26.798,6.699 26.736,6.724 26.67,6.733 14.44,6.733 5.844,15.329 5.844,31.771 23.549,49.476 23.59,49.529 23.615,49.591 23.624,49.657 23.624,54.49 25.652,54.49
no net on Internal Plane 3 (split plane): 51.49,9.4 40.896,9.4 40.896,17.143 51.49,17.143
GND on Internal Plane 2 (split plane): 49.714,54.481 49.728,54.482 49.888,54.474 50.061,54.448 50.23,54.406 50.394,54.347 50.552,54.273 50.702,54.183 50.842,54.079 50.971,53.962 51.088,53.833 51.192,53.693 51.282,53.543 51.356,53.385 51.415,53.221 51.457,53.052 51.483,52.879 51.491,52.719 51.49,52.705 51.49,2.286 51.491,2.272 51.483,2.112 51.457,1.939 51.415,1.77 51.356,1.606 51.282,1.448 51.192,1.298 51.088,1.158 50.971,1.029 50.842,0.912 50.702,0.808 50.552,0.718 50.394,0.644 50.23,0.585 50.061,0.543 49.888,0.517 49.728,0.509 49.714,0.51 12.573,0.51 12.573,3.158 12.575,3.175 12.566,3.241 12.541,3.303 12.5,3.356 2.034,13.822 2.034,33.676 10.087,41.729 10.128,41.782 10.146,41.826 10.153,41.844 10.162,41.91 10.162,54.49 27.303,54.49 27.303,49.255 10.487,32.439 10.446,32.386 10.421,32.324 10.412,32.258 10.412,15.113 10.421,15.047 10.446,14.985 10.487,14.932 15.821,9.598 15.874,9.557 15.936,9.532 16.002,9.523 22.479,9.523 22.545,9.532 22.607,9.557 22.66,9.598 22.701,9.651 22.726,9.713 22.735,9.779 22.726,9.845 22.701,9.907 22.66,9.96 22.607,10.001 22.545,10.026 22.479,10.035 16.108,10.035 10.924,15.219 10.924,32.152 27.74,48.968 27.781,49.021 27.806,49.083 27.815,49.149 27.815,54.49 49.623,54.49

## Keep-outs
Keep-Out Layer:
  lines w0.254: 49.714,54.991 cw(c49.714,52.705) 52,52.705 52,2.286 cw(c49.714,2.286) 49.714,0 2.286,0 cw(c2.286,2.286) 0,2.286 0,52.714 cw(c2.286,52.714) 2.286,55 49.714,55

## Other copper
Top Layer:
  rectangle net GND: 39.116,1.27 44.45,7.112
  rectangle: 39.878,9.525 51.49,16.891
  rectangle: 46.482,4.318 50.546,7.747
  rectangle net GND: 21.209,1.27 24.638,9.906
  rectangle net GND: 34.925,0.635 36.576,9.779
Bottom Layer:
  rectangle net GND: 34.925,0.635 36.576,9.779
  rectangle: 39.878,8.255 51.435,16.891
  rectangle net GND: 39.116,1.27 44.45,7.747
  rectangle net GND: 43.561,4.318 45.974,7.747
  region net GND: 44.268,2.612 45.974,4.318 44.831,5.461 43.125,3.755
  rectangle: 46.482,4.318 50.546,7.747
Internal Plane 3 (plane layer: these items are gaps in the copper):
  rectangle: 1.27,39.37 6.731,44.831
  rectangle: 0.762,1.778 6.985,7.493
  region: 7.503,1.153 10.287,3.937 2.794,11.43 0.01,8.646
  region: 10.074,0.93 12.319,3.175 1.778,13.716 -0.467,11.471
  rectangle: 0.635,-0.127 12.573,3.175
  rectangle: 0.702,52.451 9.652,55.062
  rectangle: 1.016,36.83 4.064,41.656
  region: -0.064,35.624 1.778,33.782 9.906,41.91 8.064,43.751
  rectangle: -0.127,0.889 1.778,43.307
  rectangle: -0.127,41.91 9.906,53.975
  rectangle: 39.878,41.529 41.402,43.053
  pour cut-out: 34.163,37.787 33.909,37.787 cw(c33.909,42.486) 29.21,42.486 cw(c33.909,42.486) 33.909,47.185 34.163,47.185 cw(c34.163,42.613) 38.735,42.613 38.735,42.359 cw(c34.163,42.359)
  pour cut-out: 34.163,10.287 33.909,10.287 cw(c33.909,14.986) 29.21,14.986 cw(c33.909,14.986) 33.909,19.685 34.163,19.685 cw(c34.163,15.113) 38.735,15.113 38.735,14.859 cw(c34.163,14.859)
  lines w0.508: 9.906,55.127 9.906,41.91 1.778,33.782 1.778,13.716 12.319,3.175 25.781,3.175 ; 13.716,55.127 13.716,43.942 3.048,33.274 3.048,14.224 12.827,4.445 25.654,4.445 25.908,4.191 25.908,3.175 27.178,3.175 ; 17.526,55.127 17.526,45.847 4.318,32.639 4.318,14.732 13.589,5.461 26.195,5.461 27.178,4.478 27.178,3.175 ; 23.368,55.062 23.368,49.657 5.588,31.877 5.588,15.223 14.334,6.477 26.67,6.477 28.575,4.572 28.575,3.175 ; 25.908,55.062 25.908,50.165 6.858,31.115 6.858,15.748 15.113,7.493 27.178,7.493 29.845,4.826 29.845,3.175 28.575,3.175 ; 27.559,55.062 27.559,49.149 10.668,32.258 10.668,15.113 15.621,10.16 28.214,10.16 31.369,7.005 31.369,-0.254 ; 51.943,9.144 40.64,9.144 40.64,17.399 51.943,17.399 ; 27.178,3.175 28.575,3.175
Internal Plane 2 (plane layer: these items are gaps in the copper):
  rectangle: 1.27,39.37 6.731,44.831
  rectangle: 0.762,1.778 6.985,7.493
  region: 7.503,1.153 10.287,3.937 2.794,11.43 0.01,8.646
  region: 10.074,0.93 12.319,3.175 1.778,13.716 -0.467,11.471
  rectangle: 0.635,-0.127 12.573,3.175
  rectangle: 0.702,52.451 9.652,55.062
  rectangle: 1.016,36.83 4.064,41.656
  region: -0.064,35.624 1.778,33.782 9.906,41.91 8.064,43.751
  rectangle: -0.127,0.889 1.778,43.307
  rectangle: -0.127,41.91 9.906,53.975
  pour cut-out: 34.163,10.287 33.909,10.287 cw(c33.909,14.986) 29.21,14.986 cw(c33.909,14.986) 33.909,19.685 34.163,19.685 cw(c34.163,15.113) 38.735,15.113 38.735,14.859 cw(c34.163,14.859)
  pour cut-out: 34.163,37.787 33.909,37.787 cw(c33.909,42.486) 29.21,42.486 cw(c33.909,42.486) 33.909,47.185 34.163,47.185 cw(c34.163,42.613) 38.735,42.613 38.735,42.359 cw(c34.163,42.359)
  lines w0.508: 9.906,55.127 9.906,41.91 1.778,33.782 1.778,13.716 12.319,3.175 ; 22.479,9.779 16.002,9.779 10.668,15.113 10.668,32.258 27.559,49.149 27.559,55.062 25.908,55.062

## Silkscreen, mask and mechanical layers (free items; w line width, h text height)
Top Overlay:
  lines w0.203: 24.13,23.876 24.511,24.638
  lines w0.254: 34.544,21.717 34.925,22.352
  text "452006733" at 1.905,31.115 h1.27 r270
Bottom Overlay:
  lines w0.254: 9,0 9,55
Mechanical 1:
  drawing of 8208 lines, arcs and shapes, not listed
  text "7" at 216.81,169.775 h2.54
  text "1" at -50.017,169.648 h2.54
  text "4" at 83.714,169.521 h2.54
  text "8" at 261.895,169.521 h2.54
  text "2" at -8.234,169.394 h2.54
  text "3" at 37.232,169.394 h2.54
  text "5" at 128.037,169.394 h2.54
  text "9" at 306.345,169.394 h2.54
  text "6" at 172.106,169.14 h2.54
  text "D" at 326.758,137.216 h2.54
  text "C" at 326.504,72.192 h2.54
  text "B" at -73.479,3.231 h2.54
  text "B" at 326.25,3.231 h2.54
  text "按机械层1加工" at 177.292,-11.938 h6.35
  text "PCB加工要求:" at 177.498,-18.153 h2.79
  text "型号等级：FR-4，A1" at 240.363,-21.359 h2.79
  text "1.电路板材质：环氧树脂玻璃布基敷铜板" at 180.162,-21.455 h2.79
  text "阻燃等级：UL94V-0，丝印标记" at 183.721,-24.878 h2.79
  text "厚度：1.6mm +/-10%" at 240.363,-25.082 h2.79
  text "层数：" at 183.721,-28.492 h2.79
  text "尺寸：" at 210.645,-28.492 h2.79
  text "4" at 193.119,-28.662 h2.79
  text "55x65mm" at 219.281,-28.662 h2.79
  text "覆铜厚度：35um +/-10%" at 240.363,-28.689 h2.79
  text "2.表面镀层：镀锡" at 180.162,-32.01 h2.79
  text "阻焊层颜色：绿色" at 240.363,-32.306 h2.79
  text "字符：双面白色" at 183.723,-35.538 h2.79
  text "过孔：常规覆盖阻焊" at 240.363,-35.943 h2.79
  text "3.翘曲度：双层板<1% 多层板<0.5%" at 180.162,-39.046 h2.79
  text "4.清洗热风整平" at 180.162,-42.575 h2.79
  text "5.成品符合ROHS" at 180.165,-46.093 h2.79
  text "6.需要PCb加工商丝印UL 认证标志、生产厂家、厂家型号、UL 认证文件号、阻燃等级" at 180.251,-49.587 h2.79
  text "NIBP" at 255.524,-56.515 h5.08
  text "？？？？？" at 251.054,-61.29 h5.08
  text "A" at 326.504,-62.936 h2.54
  text "1.00" at 156.464,-70.612 h3.81
  text "张贺宁" at 209.423,-70.612 h3.81
  text "新版发行" at 185.166,-70.739 h3.81
  text "呼吸机" at 251.206,-74.27 h6.35
  text "更改单号" at 183.282,-75.894 h4.32
  text "签字、日期" at 212.365,-75.894 h4.32
  text "标记" at 168.656,-75.946 h4.32
  text "版本" at 155.977,-76.021 h4.32
  text "进气模块电 / 路板印制板" at 288.417,-77.724 h6.35
  text "设计" at 155.723,-80.974 h4.32
  text "张贺宁" at 167.407,-80.974 h4.32
  text "工艺" at 198.264,-80.974 h4.32
  text "熊山振" at 209.952,-80.974 h4.32
  text "标审" at 198.268,-85.89 h4.32
  text "余湘涛" at 167.407,-85.927 h4.32
  text "马明奇" at 209.952,-85.927 h4.32
  text "审核" at 155.723,-86.054 h4.32
  text "共 2 页第 1页" at 248.916,-88.492 h4.32
  text "452006733" at 290.982,-89.256 h6.35
  text "批准" at 198.264,-91.007 h4.32
  text "刘加龙" at 209.952,-91.007 h4.32
  text "3" at 36.47,-95.528 h2.54
  text "5" at 127.656,-95.528 h2.54
  text "6" at 172.741,-95.528 h2.54
  text "1" at -54.081,-95.655 h2.54
  text "2" at -8.869,-95.655 h2.54
  text "4" at 81.301,-95.655 h2.54
  text "8" at 261.514,-95.655 h2.54
  text "9" at 306.599,-95.655 h2.54
  text "7" at 215.921,-95.782 h2.54
Mechanical 4:
  drawing of 9669 lines, arcs and shapes, not listed
  text "6" at 85.492,169.521 h2.54
  text "3" at 219.197,169.474 h2.54
  text "2" at 264.155,169.474 h2.54
  text "9" at -49.89,169.394 h2.54
  text "5" at 128.799,169.394 h2.54
  text "1" at 308.758,169.394 h2.54
  text "8" at -6.583,169.267 h2.54
  text "7" at 39.01,169.267 h2.54
  text "4" at 173.223,169.22 h2.54
  text "D" at 328.925,137.089 h2.54
  text "C" at 328.671,72.446 h2.54
  text "B" at 328.925,3.358 h2.54
  text "B" at -70.804,3.104 h2.54
  text "A" at 328.57,-62.889 h2.54
  text "张贺宁" at 38.735,-85.852 h3.81
  text "新版发行" at 71.882,-85.852 h3.81
  text "签字、日期" at 43.252,-90.6 h4.32
  text "更改单号" at 72.208,-90.6 h4.32
  text "共 2 页第 2 页" at 10.232,-90.854 h4.32
  text "标  记" at 96.211,-90.854 h4.32
  text "5" at 128.926,-95.401 h2.54
  text "9" at -51.541,-95.528 h2.54
  text "8" at -5.059,-95.528 h2.54
  text "7" at 40.28,-95.528 h2.54
  text "6" at 84.349,-95.528 h2.54
  text "4" at 175.535,-95.528 h2.54
  text "3" at 218.715,-95.655 h2.54
  text "2" at 264.409,-95.702 h2.54
  text "1" at 307.589,-95.702 h2.54